# Altium PCB AirScoutPCBV2.0.PcbDoc
Units mm, origin at the board's own origin, x right, y up, seen from the top; angles counter-clockwise.
Board outline 70 x 95 mm, 4 copper layers (TOP, GND/S1, SRC/S2, BOTTOM), stack 0.603 mm thick; 60 components, 39 nets, 226 pads, 145 vias.
Unrouted connection lines stored in the file: 176.
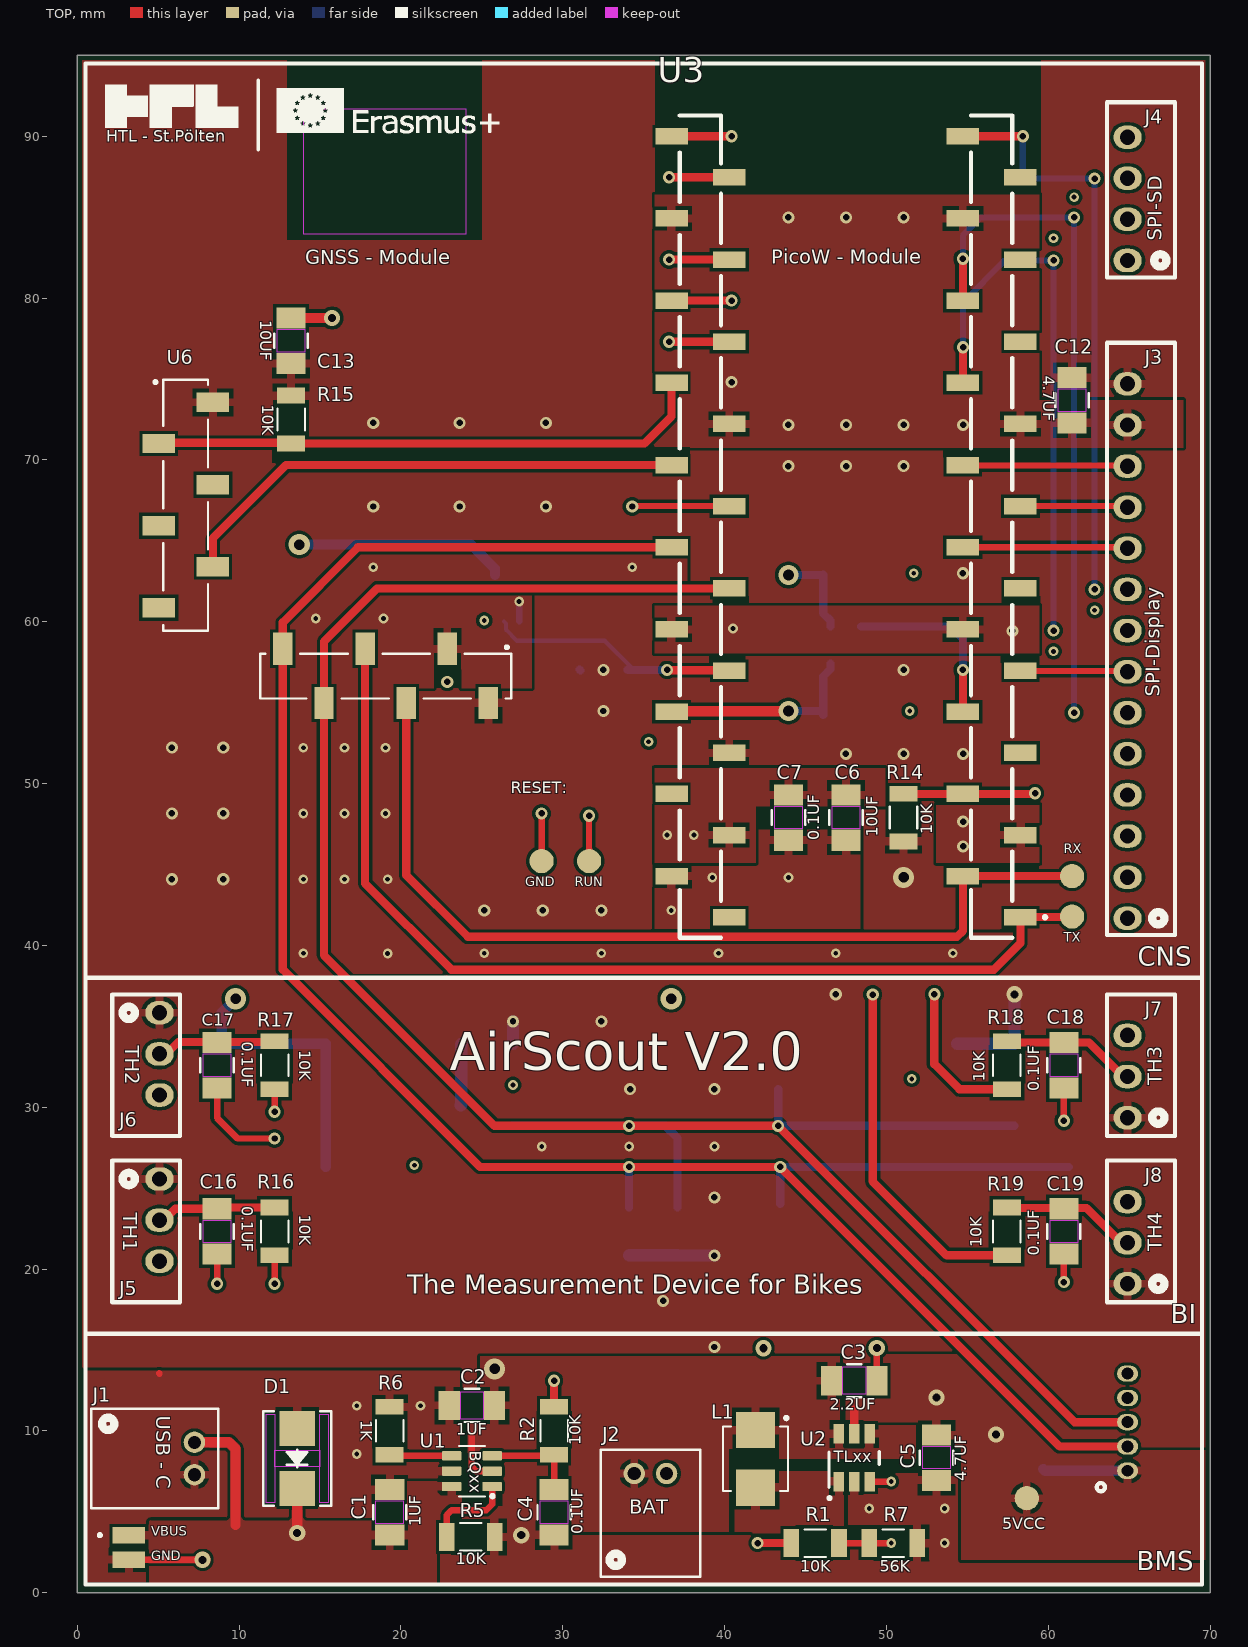
[diagram p0: TOP view]
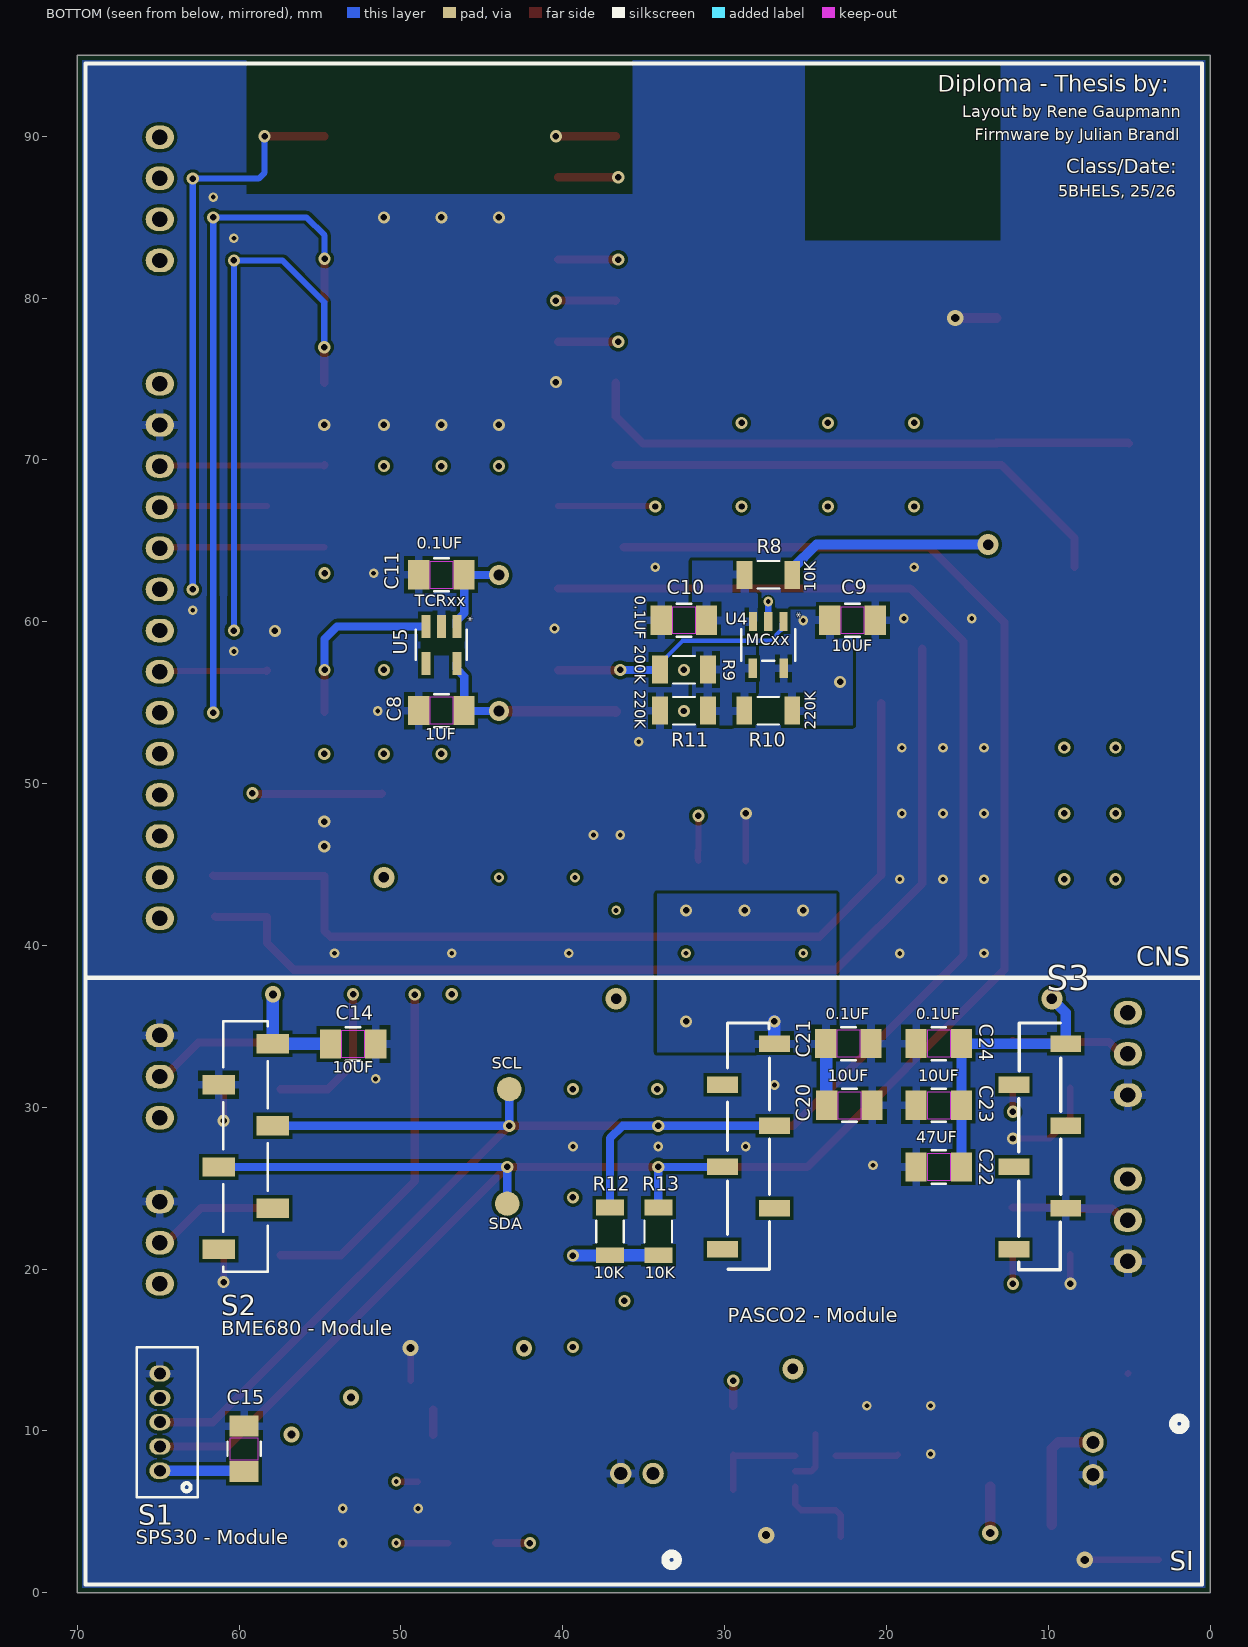
[diagram p1: BOTTOM view, seen from below]
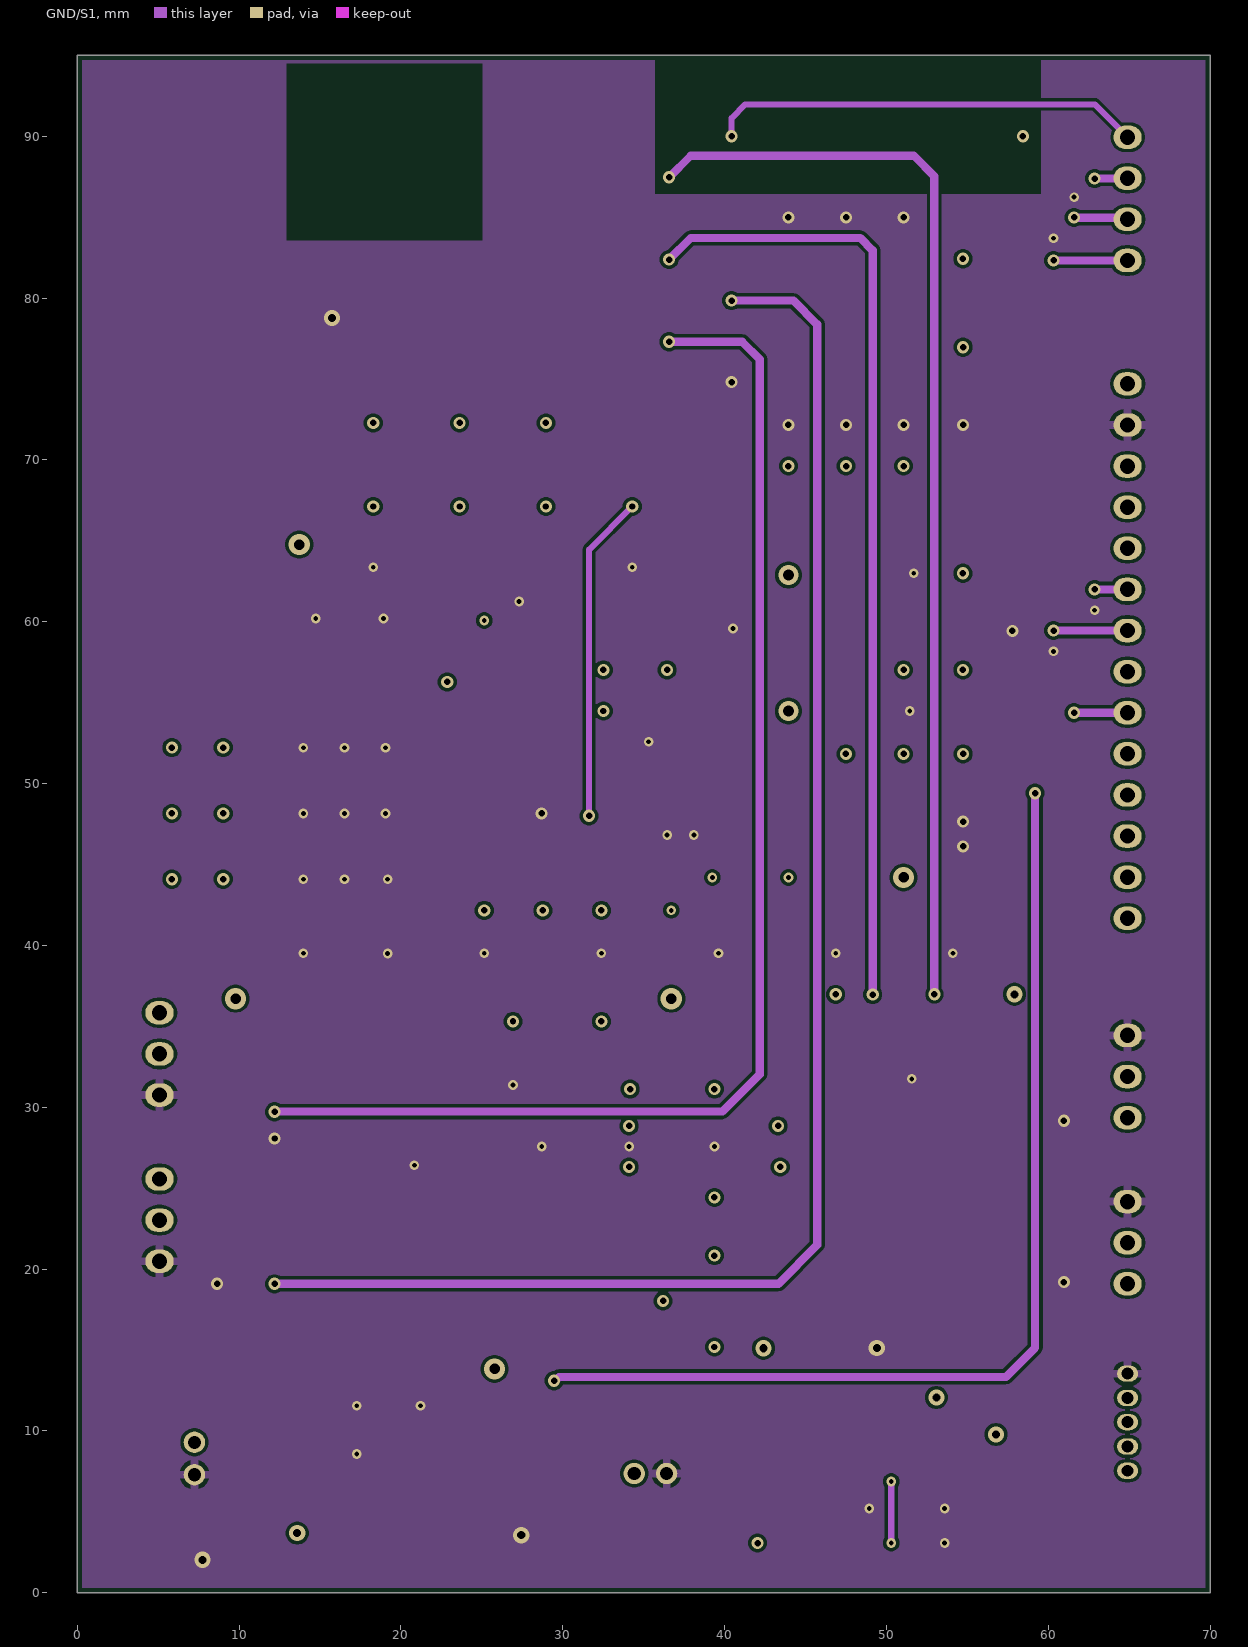
[diagram p2: GND/S1]
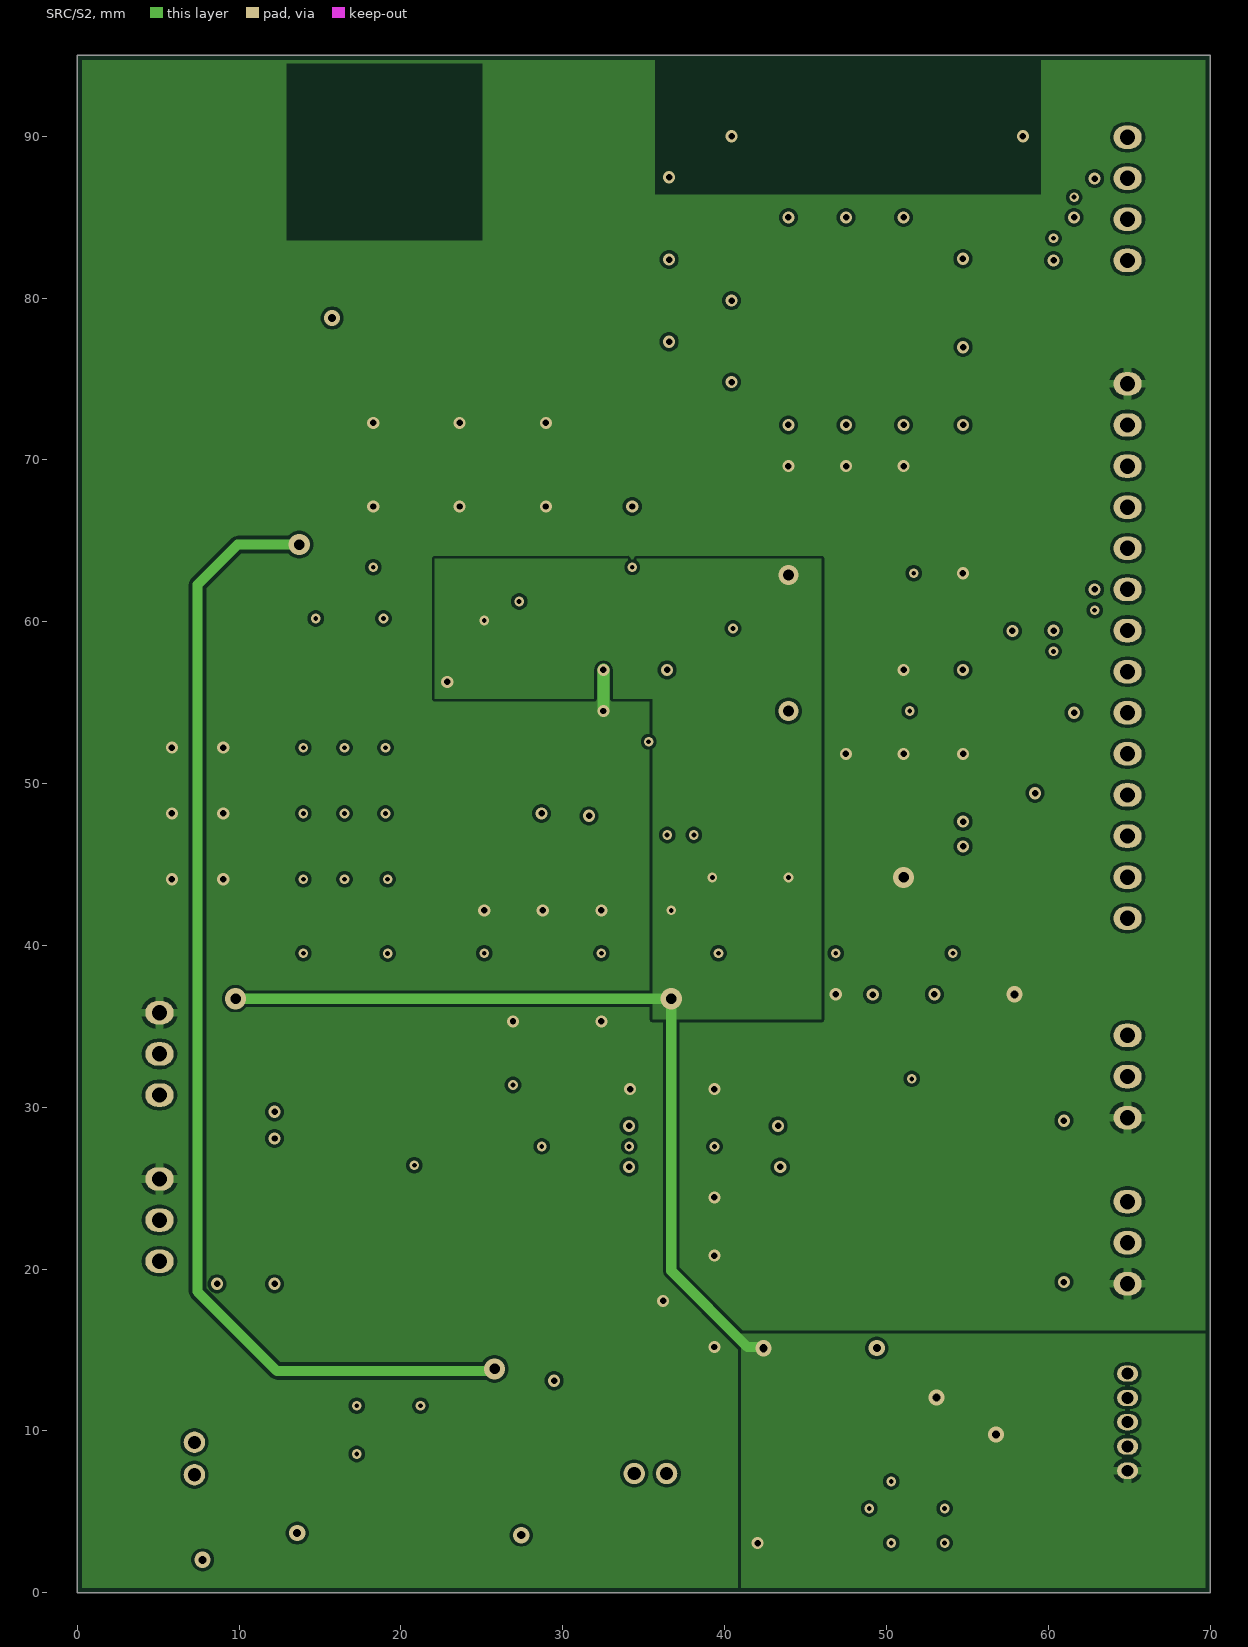
[diagram p3: SRC/S2]

## Layer stack, top to bottom
Top Solder: solder mask 0.0102, Solder Resist, Dk 3.5
TOP: signal copper 0.0356
Dielectric 2: prepreg 0.0711, PP-006, Dk 4.1
GND/S1: signal copper 0.035
Dielectric 1: dielectric 0.32, FR-4, Dk 4.8
SRC/S2: signal copper 0.035
Dielectric 3: prepreg 0.0711, PP-006, Dk 4.1
BOTTOM: signal copper 0.0356
Bottom Solder: solder mask 0.0102, Solder Resist, Dk 3.5

## Board outline
0,0 0,95 70,95 70,0

## Design rules (kind name [scope] priority, off if disabled: settings)
BoardOutlineClearance [All] p1: gap=0.3 ignorepadtopadclearanceinfootprint=FALSE except(0.4: Arc-SplitBarrior Arc-SplitContinuation Track-SplitBarrior Track-SplitContinuation SMDPad-SplitBarrior SMDPad-SplitContinuation THPad-SplitBarrior THPad-SplitContinuation Via-SplitBarrior Via-SplitContinuation Fill-SplitBarrior Fill-SplitContinuation Poly-SplitBarrior Poly-SplitContinuation Region-SplitBarrior Region-SplitContinuation Text-SplitBarrior Text-SplitContinuation)
Clearance "Clearance Different Nets" [All] p1: gap=0.2 ignorepadtopadclearanceinfootprint=FALSE except(0.089: Arc-Arc Arc-Track Arc-SMDPad Track-Track Track-SMDPad; 0.127: SMDPad-SMDPad SMDPad-Via THPad-Via Via-Via; 0.254: Arc-Via Arc-Text Track-Via Track-Text SMDPad-Text THPad-Text Via-Text Fill-Text Poly-Text Region-Text Text-Text; 0.5: THPad-THPad Via-Hole)
Clearance "Clearance Same Nets" [All] p2: gap=0.2 ignorepadtopadclearanceinfootprint=FALSE except(0.089: Arc-Arc Arc-Track Arc-SMDPad Track-Track Track-SMDPad SMDPad-SMDPad; 0.127: SMDPad-Via THPad-Via; 0.254: Arc-Via Arc-Text Track-Via Track-Text SMDPad-Text THPad-Text Via-Via Via-Text Fill-Text Poly-Text Region-Text Text-Text)
Clearance "Clearance Bottom Layer" [OnLayer('Bottom Layer')] p3: gap=0.203 ignorepadtopadclearanceinfootprint=TRUE except(0.254: Arc-Text Track-Text SMDPad-Text THPad-Text Via-Text Fill-Text Poly-Text Region-Text Text-Text)
Clearance "Clearance Top Layer" [OnLayer('Top Layer')] p4: gap=0.203 ignorepadtopadclearanceinfootprint=TRUE except(0.254: Arc-Text Track-Text SMDPad-Text THPad-Text Via-Text Fill-Text Poly-Text Region-Text Text-Text)
HoleSize [All] p1: absolutevalues=TRUE maxlimit=6.3 minlimit=0.2 maxpercent=80.000 minpercent=20.000
MinimumAnnularRing [All] p1: minimumring=0.13
MinimumSolderMaskSliver [All] p1: minsoldermaskwidth=0.1
PolygonConnect PolygonConnect_1 [All] p1: thpad.connectstyle=Relief thpad.reliefconductorwidth=0.508 thpad.reliefentries=4 thpad.polygonreliefangle="90 Angle" thpad.airgapwidth=0.254 smdpad.connectstyle=Relief smdpad.reliefconductorwidth=0.508 smdpad.reliefentries=4 smdpad.polygonreliefangle="90 Angle" smdpad.airgapwidth=0.254 via.connectstyle=Direct via.reliefconductorwidth=0.508 via.reliefentries=4 via.polygonreliefangle="90 Angle" via.airgapwidth=0.254
RoutingCorners [All] p1: cornerstyle=Round minsetback=2.54 maxsetback=2.54
RoutingVias [All] p1: holewidth=0.5 width=1 viastyle="Through Hole" minholewidth=0.2 minwidth=0.35 maxholewidth=1 maxwidth=2
SilkToSilkClearance [All] p1: silktosilkclearance=0.1
SilkToSolderMaskClearance [IsPad] p1: minsilkscreentomaskgap=0.1 clearancetoexposedcopper=TRUE
SolderMaskExpansion [All] p1: expansion=0.102 istentingtop=FALSE
SupplyNets "Schematic Supply Nets_32" [InNet('RUN')] p1: voltage=0.000
SupplyNets "Schematic Supply Nets_30" [InNet('I2C/SCL')] p2: voltage=0.000
SupplyNets "Schematic Supply Nets_29" [InNet('SPI/CS-DIS')] p3: voltage=0.000
SupplyNets "Schematic Supply Nets_28" [InNet('VCC')] p4: voltage=0.000
SupplyNets "Schematic Supply Nets_27" [InNet('SPI/CS-SD')] p5: voltage=0.000
SupplyNets "Schematic Supply Nets_26" [InNet('VIN-')] p6: voltage=0.000
SupplyNets "Schematic Supply Nets_25" [InNet('5VCC')] p7: voltage=0.000
SupplyNets "Schematic Supply Nets_23" [InNet('3V3')] p8: voltage=0.000
SupplyNets "Schematic Supply Nets_22" [InNet('FB')] p9: voltage=0.000
SupplyNets "Schematic Supply Nets_21" [InNet('UART/RX')] p10: voltage=0.000
SupplyNets "Schematic Supply Nets_20" [InNet('RST')] p11: voltage=0.000
SupplyNets "Schematic Supply Nets_19" [InNet('LED')] p12: voltage=0.000
SupplyNets "Schematic Supply Nets_18" [InNet('SPI/MISO')] p13: voltage=0.000
SupplyNets "Schematic Supply Nets_17" [InNet('ADC2')] p14: voltage=0.000
SupplyNets "Schematic Supply Nets_16" [InNet('GND')] p15: voltage=0.000
SupplyNets "Schematic Supply Nets_15" [InNet('UART/TX')] p16: voltage=0.000
SupplyNets "Schematic Supply Nets_14" [InNet('RESET')] p17: voltage=0.000
SupplyNets "Schematic Supply Nets_13" [InNet('I2C/SDA')] p18: voltage=0.000
SupplyNets "Schematic Supply Nets_12" [InNet('DC')] p19: voltage=0.000
SupplyNets "Schematic Supply Nets_11" [InNet('CONT')] p20: voltage=0.000
SupplyNets "Schematic Supply Nets_10" [InNet('TCH4')] p21: voltage=0.000
SupplyNets "Schematic Supply Nets_9" [InNet('3V3-REF')] p22: voltage=0.000
SupplyNets "Schematic Supply Nets_8" [InNet('TCH2')] p23: voltage=0.000
SupplyNets "Schematic Supply Nets_7" [InNet('TCH3')] p24: voltage=0.000
SupplyNets "Schematic Supply Nets_6" [InNet('TCH1')] p25: voltage=0.000
SupplyNets "Schematic Supply Nets_4" [InNet('VBUS')] p26: voltage=0.000
SupplyNets "Schematic Supply Nets_3" [InNet('SPI/SCK')] p27: voltage=0.000
SupplyNets "Schematic Supply Nets_2" [InNet('EXTIN')] p28: voltage=0.000
SupplyNets "Schematic Supply Nets_1" [InNet('SPI/MOSI')] p29: voltage=0.000
SupplyNets "Schematic Supply Nets" [InNet('CHG')] p30: voltage=0.000
Width [All] p1: maxlimit=2.54 minlimit=0.089 preferedwidth=0.381
25 further rules are at their usual default settings.

## Components (designator, comment, footprint, x,y, rotation, side; value= is the part's Value field where it differs from the comment)
C1 "C1206C105K3RACTU" CAPC340180_140N_KEM 19.304,4.972 r270 top value=1uF
C2 "C1206C105K3RACTU" CAPC340180_140N_KEM 24.384,11.576 r0 top value=1uF
C3 "CL31B225KBHNNNE" CAPC340180_140N_KEM 48.006,13.1 r180 top value=2.2uF
C4 "C1206C104K5RACTU" CAPC340180_140N_KEM 29.464,4.972 r90 top value=0.1uF
C5 "CL31B475KBHNFNE" CAPC340180_140N_KEM 53.086,8.344 r90 top value=4.7uF
C6 "CL31B106KAHNNNE" CAPC340180_140N_KEM 47.498,47.898 r270 top value=10uF
C7 "C1206C104K5RACTU" CAPC340180_140N_KEM 43.942,47.898 r270 top value=0.1uF
C8 "C1206C105K3RACTU" CAPC340180_140N_KEM 47.498,54.502 r180 bottom value=1uF
C9 "CL31B106KAHNNNE" CAPC340180_140N_KEM 22.098,60.09 r0 bottom value=10uF
C10 "C1206C104K5RACTU" CAPC340180_140N_KEM 32.512,60.09 r180 bottom value=0.1uF
C11 "C1206C104K5RACTU" CAPC340180_140N_KEM 47.498,62.9 r180 bottom value=0.1uF
C12 "CL31B475KBHNFNE" CAPC340180_140N_KEM 61.468,73.685 r90 top value=4.7uF
C13 "CL31B106KAHNNNE" CAPC340180_140N_KEM 13.208,77.362 r270 top value=10uF
C14 "CL31B106KAHNNNE" CAPC340180_140N_KEM 52.959,33.909 r0 bottom value=10uF
C15 "CL31B106KAHNNNE" CAPC340180_140N_KEM 59.69,8.89 r270 bottom value=10uF
C16 "C1206C104K5RACTU" CAPC340180_140N_KEM 8.636,22.326 r90 top value=0.1uF
C17 "C1206C104K5RACTU" CAPC340180_140N_KEM 8.636,32.594 r90 top value=0.1uF
C18 "C1206C104K5RACTU" CAPC340180_140N_KEM 60.96,32.594 r90 top value=0.1uF
C19 "C1206C104K5RACTU" CAPC340180_140N_KEM 60.96,22.326 r90 top value=0.1uF
C20 "CL31B106KAHNNNE" CAPC340180_140N_KEM 22.289,30.118 r0 bottom value=10uF
C21 "C1206C104K5RACTU" CAPC340180_140N_KEM 22.352,33.928 r0 bottom value=0.1uF
C22 "CL31A476MQHNNNE" CAPC340180_140N_KEM 16.764,26.308 r180 bottom value=47uF
C23 "CL31B106KAHNNNE" CAPC340180_140N_KEM 16.764,30.118 r180 bottom value=10uF
C24 "C1206C104K5RACTU" CAPC340180_140N_KEM 16.764,33.928 r180 bottom value=0.1uF
D1 "SMBJ14CA-13-F" SMB_DIO 13.588,8.293 r90 top
J1 "B02B-PASK-1" CONN_S2B-PH-K-S_JST 7.239,9.293 r270 top
J2 "B02B-PASK-1" CONN_S2B-PH-K-S_JST 34.417,7.366 r0 top
J3 "IDMS-14-D-02.00-R" CONN_14POL_SAMTEC 64.897,41.675 r270 top
J4 "IDMS-4-D-02.00-R" SAMTEC_IDMS-04-S-02.00 64.897,82.322 r270 top
J5 "IDMS-3-D-02.00-R" CONN_3POL_SAMTEC 5.08,25.565 r90 top
J6 "IDMS-3-D-02.00-R" CONN_3POL_SAMTEC 5.08,35.833 r90 top
J7 "IDMS-3-D-02.00-R" CONN_3POL_SAMTEC 64.897,29.356 r270 top
J8 "IDMS-3-D-02.00-R" CONN_3POL_SAMTEC 64.897,19.088 r270 top
L1 "PA4332.103NLT" IND_FDSD0420-H-100M=P3 41.91,8.274 r270 top
R1 "RC1206FR-0710KL" RESC3116X65N 45.593,3.067 r180 top value=10k
R2 "RC1206FR-0710KL" RESC3116X65N 29.464,10.008 r270 top value=10k
R5 "RC1206FR-0710KL" RESC3116X65N 24.307,3.448 r180 top value=10k
R6 "RNCP1206FTD1K00" RESC3116X65N 19.304,10.008 r270 top value=1k
R7 "RMCF1206JT56K0" RESC3116X65N 50.419,3.067 r180 top value=56k
R8 "RC1206FR-0710KL" RESC3116X65N 27.292,62.9 r180 bottom value=10k
R9 "RC1206JR-07200KL" RESC3116X65N 32.512,57.042 r0 bottom value=200k
R10 "RC1206JR-07220KL" RESC3116X65N 27.305,54.502 r180 bottom value=220k
R11 "RC1206JR-07220KL" RESC3116X65N 32.512,54.502 r180 bottom value=220k
R12 "RC1206FR-0710KL" RESC3116X65N 37.084,22.326 r270 bottom value=10k
R13 "RC1206FR-0710KL" RESC3116X65N 34.099,22.326 r270 bottom value=10k
R14 "RC1206FR-0710KL" RESC3116X65N 51.054,47.898 r270 top value=10k
R15 "RC1206FR-0710KL" RESC3116X65N 13.208,72.492 r90 top value=10k
R16 "RC1206FR-0710KL" RESC3116X65N 12.192,22.326 r270 top value=10k
R17 "RC1206FR-0710KL" RESC3116X65N 12.192,32.594 r270 top value=10k
R18 "RC1206FR-0710KL" RESC3116X65N 57.443,32.594 r270 top value=10k
R19 "RC1206FR-0710KL" RESC3116X65N 57.443,22.326 r270 top value=10k
S1 "B5B-ZR" CONN5_B5B-ZR_JST 64.897,7.536 r270 bottom
S2 "NPPC061KFXC-RC" PIM357 61.088,35.578 r270 bottom
S3 "NPPC061KFXC-RC" IFX-SMD-LG-MLGA-14-1-V_MODUL 31.379,18.428 r180 bottom
U1 "BQ21040DBVR" SOT95P280X145-6N 24.384,7.512 r180 top
U2 "TLV61046ADBVR" DBV0006A_M 48.006,8.344 r90 top
U3 "SSM-120-L-SV-BE-K-TR" "PicoW SC019" 47.5,66 r180 top
U4 "MCP6006T-E/OT" SOT23-5-AP2202K_DIO-M 27.305,58.566 r270 bottom
U5 "TCR2EF33,LM(CT" "SOT-25   SMV_TOS" 47.498,58.566 r270 bottom
U6 "NPPC061KFXC-RC" CAM8MQ-Mod 5.006,91.952 r270 top locked
